# KiCad board X88C.kicad_pcb (continued)
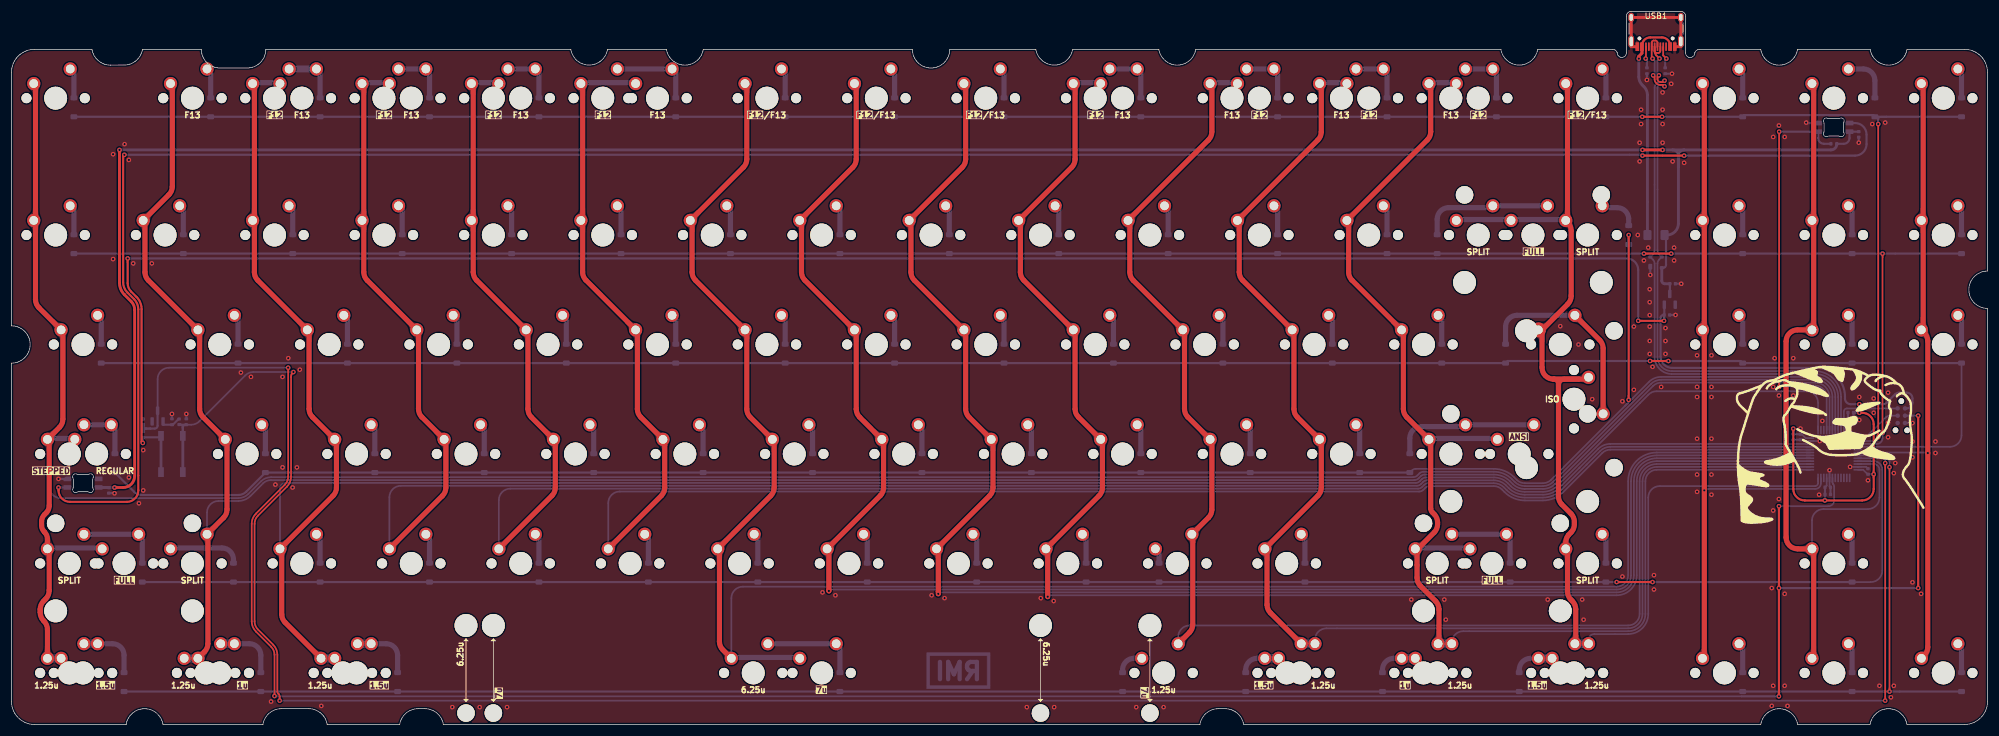
[diagram p0: board, top side]
## Nets
+3V3: C1.1 C2.1 C3.1 C5.2 C6.1 C7.1 C8.1 C9.1 J2.1 RR1.1 SWR1.1 U1.2 U2.9 U2.24 U2.36 U2.48
+5V: C4.1 C10.1 C11.1 D1.4 F1.1 R3.2 RGB1.1 RGB2.1 U1.3
GND: C1.2 C2.2 C3.2 C4.2 C5.1 C6.2 C7.2 C8.2 C9.2 C10.2 C11.2 CR2.2 D1.1 J2.5 QR1.2 R1.2 R2.2 RGB1.4 RGB2.4 RR2.1 RR3.2 U1.1 U2.8 U2.23 U2.35 U2.47 USB1.A1 USB1.A12 USB1.B1 USB1.B12 USB1.S1
VBUS: F1.2 USB1.A4 USB1.A9 USB1.B4 USB1.B9
/CC1: R2.1 USB1.A5
/CC2: R1.1 USB1.B5
/RGB: R3.1 RGB1.3 U2.28
BOOT0: CR1.2 RR2.2 SWR1.2 U2.44
D+: D1.3 U2.33 USB1.A6 USB1.B6
D-: D1.2 U2.32 USB1.A7 USB1.B7
NRST: CR2.1 J2.3 QR1.3 RR1.2 U2.7
PA1: MX15.1 MX44.1 MX62.1 MX106.1 U2.11
PA2: MX14.1 MX43.1 MX47.1 MX61.1 MX65.1 MX79.1 MX98.1 MX105.2 MX116.2 U2.12
PA3: MX13.1 MX28.1 MX42.1 MX60.1 MX78.1 MX81.1 MX93.1 MX97.1 MX104.2 MX115.2 U2.13
PA4: MX12.1 MX27.1 MX41.1 MX59.1 MX77.1 MX92.1 MX103.2 MX114.2 U2.14
PA5: MX11.1 MX26.1 MX40.1 MX58.1 MX76.1 MX91.2 MX113.2 U2.15
PA6: MX10.1 MX25.1 MX39.1 MX57.1 MX75.1 MX90.1 U2.16
PA7: MX9.1 MX38.1 MX56.1 MX74.1 MX89.1 U2.17
PA8: MX2.1 MX31.1 MX49.1 MX67.1 MX96.2 MX100.1 MX110.1 U2.29
PA9: MX1.1 MX30.1 MX48.1 MX66.1 MX80.1 MX82.1 MX95.1 MX99.1 MX109.1 U2.30
PA10: D53.1 D54.1 D55.1 D56.1 D57.1 D58.1 D59.1 D60.1 D61.1 D62.1 D63.1 D64.1 D65.1 D66.1 U2.31
PA15: D2.1 D3.1 D4.1 D5.1 D6.1 D7.1 D8.1 D9.1 D10.1 D11.1 D12.1 D13.1 D14.1 D15.1 D16.1 D17.1 D18.1 U2.38
PB0: MX8.1 MX37.1 MX55.1 MX73.1 MX88.1 U2.18
PB1: MX7.1 MX36.1 MX54.1 MX72.1 MX87.1 MX102.1 MX112.1 U2.19
PB2: MX6.1 MX21.1 MX35.1 MX53.1 MX71.1 MX86.1 U2.20
PB3: D19.1 D20.1 D21.1 D22.1 D23.1 D24.1 D25.1 D26.1 D27.1 D28.1 D29.1 D30.1 D31.1 D32.1 D33.1 D34.1 D35.1 U2.39
PB4: D36.1 D37.1 D38.1 D39.1 D40.1 D41.1 D42.1 D43.1 D44.1 D45.1 D46.1 D47.1 D48.1 D49.1 D50.1 D51.1 D52.1 U2.40
PB6: MX17.1 MX46.1 MX64.1 MX108.1 U2.42
PB7: D82.1 D83.1 D84.1 D85.1 D86.1 D87.1 D88.1 D89.1 D90.1 D91.1 D92.1 U2.43
PB8: D67.1 D68.1 D69.1 D70.1 D71.1 D72.1 D73.1 D74.1 D75.1 D76.1 D77.1 D78.1 D79.1 D80.1 D81.1 U2.45
PB9: MX16.1 MX45.1 MX63.1 MX94.1 MX107.1 U2.46
PB10: MX5.1 MX20.1 MX34.1 MX52.1 MX70.1 MX85.1 U2.21
PB11: MX4.1 MX19.1 MX33.1 MX51.1 MX69.1 MX84.1 U2.22
PB12: MX3.1 MX18.1 MX32.1 MX50.1 MX68.1 MX83.1 MX101.1 MX111.1 U2.25
SWCLK: J2.4 U2.37
SWDIO: J2.2 U2.34
Net-(D2-A): D2.2 MX1.2
Net-(D3-A): D3.2 MX2.2
Net-(D4-A): D4.2 MX3.2 MX18.2
Net-(D5-A): D5.2 MX4.2 MX19.2
Net-(D6-A): D6.2 MX5.2 MX20.2
Net-(D7-A): D7.2 MX6.2 MX21.2
Net-(D8-A): D8.2 MX7.2
Net-(D9-A): D9.2 MX8.2
Net-(D10-A): D10.2 MX9.2
Net-(D11-A): D11.2 MX10.2 MX25.2
Net-(D12-A): D12.2 MX11.2 MX26.2
Net-(D13-A): D13.2 MX12.2 MX27.2
Net-(D14-A): D14.2 MX13.2 MX28.2
Net-(D15-A): D15.2 MX14.2
Net-(D16-A): D16.2 MX15.2
Net-(D17-A): D17.2 MX16.2
Net-(D18-A): D18.2 MX17.2
Net-(D19-A): D19.2 MX30.2
Net-(D20-A): D20.2 MX31.2
Net-(D21-A): D21.2 MX32.2
Net-(D22-A): D22.2 MX33.2
Net-(D23-A): D23.2 MX34.2
Net-(D24-A): D24.2 MX35.2
Net-(D25-A): D25.2 MX36.2
Net-(D26-A): D26.2 MX37.2
Net-(D27-A): D27.2 MX38.2
Net-(D28-A): D28.2 MX39.2
Net-(D29-A): D29.2 MX40.2
Net-(D30-A): D30.2 MX41.2
Net-(D31-A): D31.2 MX42.2
Net-(D32-A): D32.2 MX43.2 MX47.2
Net-(D33-A): D33.2 MX44.2
Net-(D34-A): D34.2 MX45.2
Net-(D35-A): D35.2 MX46.2
Net-(D36-A): D36.2 MX48.2
Net-(D37-A): D37.2 MX49.2
Net-(D38-A): D38.2 MX50.2
Net-(D39-A): D39.2 MX51.2
Net-(D40-A): D40.2 MX52.2
Net-(D41-A): D41.2 MX53.2
Net-(D42-A): D42.2 MX54.2
Net-(D43-A): D43.2 MX55.2
Net-(D44-A): D44.2 MX56.2
Net-(D45-A): D45.2 MX57.2
Net-(D46-A): D46.2 MX58.2
Net-(D47-A): D47.2 MX59.2
Net-(D48-A): D48.2 MX60.2
Net-(D49-A): D49.2 MX61.2 MX65.2
Net-(D50-A): D50.2 MX62.2
Net-(D51-A): D51.2 MX63.2
Net-(D52-A): D52.2 MX64.2
Net-(D53-A): D53.2 MX66.2 MX80.2
Net-(D54-A): D54.2 MX67.2
Net-(D55-A): D55.2 MX68.2
Net-(D56-A): D56.2 MX69.2
Net-(D57-A): D57.2 MX70.2
Net-(D58-A): D58.2 MX71.2
Net-(D59-A): D59.2 MX72.2
Net-(D60-A): D60.2 MX73.2
Net-(D61-A): D61.2 MX74.2
Net-(D62-A): D62.2 MX75.2
Net-(D63-A): D63.2 MX76.2
Net-(D64-A): D64.2 MX77.2
Net-(D65-A): D65.2 MX78.2 MX81.2
Net-(D66-A): D66.2 MX79.2
Net-(D67-A): D67.2 MX82.2 MX95.2
Net-(D68-A): D68.2 MX96.1
Net-(D69-A): D69.2 MX83.2
Net-(D70-A): D70.2 MX84.2
Net-(D71-A): D71.2 MX85.2
Net-(D72-A): D72.2 MX86.2
Net-(D73-A): D73.2 MX87.2
Net-(D74-A): D74.2 MX88.2
Net-(D75-A): D75.2 MX89.2
Net-(D76-A): D76.2 MX90.2
Net-(D77-A): D77.2 MX91.1
Net-(D78-A): D78.2 MX92.2
Net-(D79-A): D79.2 MX93.2 MX97.2
Net-(D80-A): D80.2 MX98.2
Net-(D81-A): D81.2 MX94.2
Net-(D82-A): D82.2 MX99.2 MX109.2
Net-(D83-A): D83.2 MX100.2 MX110.2
Net-(D84-A): D84.2 MX101.2 MX111.2
Net-(D85-A): D85.2 MX102.2 MX112.2
Net-(D86-A): D86.2 MX113.1
Net-(D87-A): D87.2 MX103.1 MX114.1
Net-(D88-A): D88.2 MX104.1 MX115.1
Net-(D89-A): D89.2 MX105.1 MX116.1
Net-(D90-A): D90.2 MX106.2
Net-(D91-A): D91.2 MX107.2
Net-(D92-A): D92.2 MX108.2
Net-(QR1-G): CR1.1 QR1.1 RR3.1
Net-(RGB1-DOUT): RGB1.2 RGB2.3

Pads without a net: J2 6; RGB2 2; U2 1 2 3 4 5 6 10 26 27 41; USB1 A8 B8

## Via types
v1: diameter 0.8, hole 0.4, Top to Bottom, 204 vias

## Routing (per net, layer and track width the routed paths; a pad name or vN(x,y) marks a point on that pad's centre or on a via; arc(x,y) is an arc through that point)
+3V3: length 443.5
  Top w0.375: v1(321.69,55.74) v1(321.69,54.24) 322.19,54.24 arc(323.6,53.65) 324.19,52.24 v1(324.19,43.55) 324.19,40.99 arc(323.6,39.57) 322.19,38.99 v1(315.69,38.99) 312.19,38.99 arc(310.77,39.57) 310.19,40.99 v1(310.19,51.49) ; v1(20.22,81.1) 20.22,76.77 arc(20.38,76) 20.81,75.36 21.77,74.39 arc(22.42,73.42) 22.65,72.27 22.65,49.2 v1(22.86,48.99) ; v1(287.69,70.24) v1(283.19,70.24)
  Bottom w0.3: C7.1 316,41.57 U2.9 ; C3.1 323.12,43.55 322.35,44.33 U2.48 ; C1.1 311.66,50.51 312.35,49.83 U2.24 ; C9.1 320.67,52.97 320,52.3 U2.36
  Bottom w0.375: v1(315.69,38.99) 315.71,39.01 C6.1 C7.1 ; v1(20.22,81.1) 281.19,81.1 arc(282.6,80.52) 283.19,79.1 v1(283.19,70.24) ; C3.1 v1(324.19,43.55) ; 287.71,70.74 287.71,70.24 v1(287.69,70.24) ; 287.71,70.74 C5.2 287.58,71.26 arc(287.23,71.12) 287.08,70.76 287.08,64.05 arc(287.67,62.64) 289.08,62.05 314.19,62.05 arc(317.72,60.59) 319.19,57.05 319.19,56.74 arc(319.48,56.03) 320.19,55.74 v1(321.69,55.74) ; 287.71,70.74 287.71,70.49 287.69,70.49 ; v1(310.19,51.49) C2.1 C1.1 ; J2.1 329.94,55.01 arc(330.64,55.3) 330.94,56.01 330.94,56.74 arc(330.64,57.45) 329.94,57.74 328.6,57.74 arc(328.22,57.66) 327.89,57.45 326.48,56.03 arc(326.16,55.81) 325.77,55.74 v1(321.69,55.74) ; SWR1.1 26.03,49.97 RR1.1 22.86,49.89 v1(22.86,48.99) ; v1(321.69,55.74) arc(321.76,55.79) 321.85,55.81 ; U1.2 287.74,71.26 ; C9.1 C8.1 321.58,54.28 arc(321.64,54.27) v1(321.69,54.24)
  Bottom w0.5: SWR1.1 SWR1.1
+5V: length 402.9
  Top w0.5: v1(287.44,99.99) v1(283.94,99.99) ; v1(18.8,99.99) 18.8,76.89 arc(19.03,75.75) 19.68,74.77 20.85,73.6 arc(21.28,72.95) 21.44,72.19 21.44,43.24 arc(20.85,41.82) 19.44,41.24 v1(17.94,41.24)
  Bottom w0.375: C4.1 288.71,74.93 ; C10.1 RGB1.1 319.97,102.05 arc(319.68,101.34) 318.97,101.05 R3.2 ; D1.4 287.53,79.46 arc(287.88,79.61) 288.03,79.96 288.03,85.18 F1.1
  Bottom w0.5: R3.2 317.76,100.99 arc(317.47,100.28) 316.76,99.99 291.19,99.99 ; C4.1 287.79,76.69 arc(287.44,76.84) 287.29,77.19 D1.4 ; v1(283.94,99.99) v1(18.8,99.99) ; 289.19,99.99 291.19,99.99 ; 289.19,99.99 v1(287.44,99.99) ; 289.19,99.99 arc(289.89,99.7) 290.19,98.99 ; 291.19,99.99 arc(290.48,99.7) 290.19,98.99 ; F1.1 288.19,85.18 arc(289.6,85.76) 290.19,87.18 290.19,96.99 ; RGB2.1 16.91,41.25 C11.1 17.92,41.22 v1(17.94,41.24) ; 290.19,96.99 290.19,98.99 ; 290.19,96.99 290.19,98.99
GND: length 52.1
  Top w0.5: USB1.A1 290.61,117.94 USB1.S1 USB1.S1 USB1.S1 USB1.S1 281.97,117.94 USB1.A12
  Bottom w0.3: C9.2 319.5,52.82 U2.35 v1(319.5,49.9) ; v1(320.07,44.83) U2.47 322.87,44.83 C3.2 ; v1(314.79,49.33) U2.23 312.1,49.33 311.87,49.55 C1.2 ; C7.2 316.5,41.45 U2.8 v1(316.5,44.25)
  Bottom w0.375: v1(8.19,42.74) 8.19,42.75 RGB2.4 ; C7.2 C6.2 ; J2.5 330.94,52.47 v1(330.94,52.46) ; C8.2 C9.2 ; C2.2 C1.2 ; RR2.1 v1(30.44,54.04) ; D1.1 v1(285.29,78.24) ; C10.2 v1(321.58,101.24) ; v1(312.44,104.74) 312.44,104.66 RGB1.4 ; v1(17.94,40.24) 17.92,40.26 C11.2 ; C4.2 v1(290.69,76.69) ; RR3.2 v1(27.94,54.04) ; R2.2 v1(289.07,113.24) ; C5.1 v1(289.69,71.26) ; R1.2 v1(284.71,112.16)
  vias: v1(17.69,99.24) v1(17.69,80.99) v1(19.69,100.99) v1(20.44,98.24) v1(20.44,42.99) v1(21.19,80.24) v1(22.19,38.49) v1(22.94,47.74) v1(22.94,40.74) v1(24.44,80.24) v1(39.94,61.24) v1(41.69,60.49) v1(45.19,3.99) v1(45.94,41.74) v1(47.19,60.49) v1(47.19,44.74) v1(48.19,63.74) v1(48.94,41.24) v1(49.69,44.74) v1(50.19,61.74) v1(53.94,3.24) v1(76.74,3.02) v1(81.51,3.02) v1(86.27,3.02) v1(141.19,22.99) v1(143.44,22.49) v1(160.19,22.49) v1(162.44,21.99) v1(176.76,3.02) v1(179.19,21.99) v1(181.44,21.49) v1(181.52,3.02) v1(195.81,3.02) v1(200.57,3.02) v1(243.69,21.74) v1(249.44,21.74) v1(249.69,18.24) v1(267.44,21.74) v1(269.62,69.3) v1(272.8,66.13) v1(273.44,21.74) v1(273.69,18.24) v1(275.18,56.6) v1(280.44,56.24) v1(280.44,25.74) v1(282.44,69.24) v1(282.44,58.24) v1(283.12,85.18) v1(283.44,101.24) v1(283.44,97.99) v1(283.69,106.99) v1(283.69,104.49) v1(284.19,80.74) v1(284.94,82.99) v1(285.19,75.74) v1(285.19,73.49) v1(285.19,71.24) v1(285.19,69.24) v1(285.19,66.74) v1(285.19,64.49) v1(285.69,62.24) v1(285.94,25.99) v1(285.94,23.49) v1(287.19,58.74) v1(287.44,109.99) v1(287.44,106.99) v1(287.44,104.49) v1(287.44,101.24) v1(287.94,68.99) v1(287.94,66.74) v1(287.94,64.49) v1(288.94,111.49) v1(289.19,97.99) v1(289.44,82.99) v1(289.44,80.74) v1(291.19,97.74) v1(293.44,64.24) v1(293.44,58.74) v1(293.44,56.99) v1(293.44,49.74) v1(293.44,43.49) v1(293.44,40.49) v1(295.94,64.24) v1(295.94,58.74) v1(295.94,56.99) v1(295.94,49.74) v1(295.94,43.49) v1(295.94,39.99) v1(306.44,23.74) v1(306.44,3.24) v1(306.69,102.24) v1(306.69,58.74) v1(306.69,37.24) v1(306.69,6.74) v1(306.94,63.74) v1(307.69,104.24) v1(307.69,57.24) v1(307.69,39.24) v1(308.69,102.24) v1(308.69,22.74) v1(308.69,6.74) v1(309.19,3.24) v1(310.19,63.74) v1(310.19,57.24) v1(311.44,51.49) v1(314.69,39.99) v1(315.25,52.83) v1(321.69,56.99) v1(321.69,52.99) v1(323.19,42.49) v1(323.94,104.49) v1(324.19,56.74) v1(324.19,54.24) v1(325.19,6.74) v1(326.19,104.74) v1(326.69,57.74) v1(326.69,52.49) v1(326.69,49.99) v1(327.19,4.74) v1(327.69,43.74) v1(327.69,6.74) v1(327.94,45.49) v1(330.94,49.24) v1(330.94,46.49) v1(330.94,24.74) v1(332.44,22.74) v1(334.94,49.24) v1(334.94,47.24)
VBUS: length 40.3
  Top w0.375: USB1.A4 288.74,118.11 arc(288.32,119.13) 287.29,119.56 285.29,119.56 arc(284.27,119.13) 283.84,118.11 USB1.A9
  Top w0.5: v1(283.29,115.88) 283.29,116.27 283.84,116.82 USB1.A9
  Bottom w0.5: F1.2 284.79,85.19 284.79,109.55 arc(284.64,110.32) 284.21,110.97 283.88,111.3 arc(283.45,111.95) 283.29,112.71 v1(283.29,115.88)
/CC1: length 4
  Top w0.3: v1(288.09,115.88) 287.54,116.43 USB1.A5
  Bottom w0.375: R2.1 287.88,115.66 v1(288.09,115.88)
/CC2: length 3.8
  Top w0.3: v1(284.49,115.88) 284.54,115.93 USB1.B5
  Bottom w0.375: v1(284.49,115.88) 284.71,115.66 R1.1
/RGB: length 70.5
  Top w0.3: v1(307.72,58.74) v1(307.72,103.16)
  Bottom w0.3: U2.28 316,56.99 arc(315.41,58.4) 314,58.99 307.72,58.99 v1(307.72,58.74)
  Bottom w0.375: R3.1 315.52,101.05 arc(314.82,101.34) 314.52,102.05 RGB1.3 v1(307.72,103.16)
BOOT0: length 422.1
  Top w0.3: v1(49.08,61.34) 48.96,61.22 arc(48.74,60.89) 48.67,60.51 48.67,43.14 arc(48.48,42.19) 47.94,41.37 42.9,36.34 arc(42.47,35.69) 42.32,34.93 42.32,17.95 arc(42.47,17.18) 42.9,16.54 45.55,13.88 arc(46.1,13.07) 46.29,12.12 46.29,5.72 arc(46.32,5.53) 46.43,5.37 46.54,5.26 arc(46.65,5.1) 46.69,4.9 v1(46.69,4.15) ; v1(326.19,4.15) v1(326.19,45.48)
  Bottom w0.3: v1(49.08,61.34) 42.12,61.34 arc(41.35,61.19) 40.7,60.75 32.7,52.75 arc(32.05,52.32) 31.29,52.17 RR2.2 ; U2.44 325.69,46.33 arc(326.04,46.18) 326.19,45.83 v1(326.19,45.48) ; v1(326.19,4.15) v1(46.69,4.15)
  Bottom w0.375: 29.19,52.17 CR1.2 29.33,52.2 arc(29.68,52.05) 29.83,51.7 SWR1.2 29.83,51.67 arc(29.97,52.02) 30.33,52.17 RR2.2 29.19,52.17
  Bottom w0.5: SWR1.2 SWR1.2
D+: length 102
  Top w0.3: USB1.A6 286.54,118.67 arc(286.44,118.92) 286.19,119.02 285.89,119.02 arc(285.65,118.92) 285.54,118.67 USB1.B6 285.54,116.03 v1(285.69,115.88) ; v1(287.78,111.04) 287.53,111.29 287.04,111.29 arc(286.34,111.58) 286.04,112.29 286.04,112.71 v1(285.79,112.96)
  Bottom w0.3: v1(285.69,115.88) 286.04,115.53 286.04,113.21 v1(285.79,112.96) ; v1(287.78,111.04) 287.53,111.29 287.04,111.29 arc(286.69,111.14) 286.54,110.79 286.54,82.53 arc(286.62,82.15) 286.84,81.82 D1.3 286.84,80.91 arc(286.62,80.58) 286.54,80.2 286.54,63.99 arc(287.28,62.22) 289.04,61.49 314,61.49 arc(317.18,60.17) 318.5,56.99 U2.33
D-: length 102.2
  Top w0.3: USB1.B7 287.04,117.22 arc(286.94,116.97) 286.69,116.87 286.39,116.87 arc(286.15,116.97) 286.04,117.22 USB1.A7 286.04,117.14 arc(286.12,116.76) 286.34,116.43 v1(286.89,115.88) 286.89,115.88 ; v1(287.78,112.04) 287.53,111.79 287.04,111.79 arc(286.69,111.94) 286.54,112.29 286.54,112.71 v1(286.79,112.96)
  Bottom w0.3: v1(286.79,112.96) 286.54,113.21 286.54,115.53 286.89,115.88 v1(286.89,115.88) ; U2.32 318,56.99 arc(316.83,59.82) 314,60.99 289.04,60.99 arc(286.92,61.87) 286.04,63.99 286.04,80.2 arc(285.97,80.58) 285.75,80.91 D1.2 285.75,81.82 arc(285.97,82.15) 286.04,82.53 286.04,110.79 arc(286.34,111.5) 287.04,111.79 287.53,111.79 v1(287.78,112.04)
NRST: length 464.8
  Top w0.3: v1(48.17,62.09) 48.17,43.14 arc(48.02,42.38) 47.58,41.73 42.55,36.7 arc(42.01,35.88) 41.82,34.93 41.82,17.95 arc(42.01,16.99) 42.55,16.18 45.2,13.53 arc(45.63,12.88) 45.79,12.12 v1(45.79,4.95)
  Top w0.375: v1(307.69,4.9) v1(307.69,23.74) v1(307.69,37.99) ; v1(331.94,53.74) v1(331.94,23.74)
  Bottom w0.3: v1(48.17,62.09) 27.44,62.09 arc(26.02,61.5) 25.44,60.09 QR1.3 ; v1(307.69,37.99) 316.3,37.99 arc(317,38.28) 317.3,38.99 317.3,41.45 arc(317.26,41.64) 317.15,41.81 317.15,41.81 arc(317.04,41.97) 317,42.16 U2.7 ; v1(45.79,4.95) 45.79,4.9 301.19,4.9
  Bottom w0.375: 301.19,4.9 v1(307.69,4.9) ; 24.19,51.49 24.94,51.49 arc(25.29,51.64) 25.44,51.99 QR1.3 ; 24.19,51.49 23.44,51.49 ; 24.19,51.49 23.44,51.49 ; 23.44,51.49 arc(23.08,51.34) RR1.2 CR2.1 22.94,51.99 arc(23.08,51.64) 23.44,51.49 ; v1(331.94,23.74) v1(307.69,23.74) ; J2.3 v1(331.94,53.74)
PA1: length 122.8
  Top w0.9: MX106.1 294.69,11.82 294.69,68.36 MX62.1 294.69,68.97 294.69,87.41 MX44.1 294.69,88.02 294.69,111.22 MX15.1
  Bottom w0.3: U2.11 315,41.99 arc(314.71,41.28) 314,40.99 294.69,40.99 v1(294.69,40.74)
PA2: length 203.3
  Top w0.9: 268.44,60.11 268.51,60.11 arc(269.08,59.87) 269.31,59.31 269.31,57.39 ; 268.44,60.11 272.8,60.11 ; 268.44,60.11 arc(267.03,60.69) 266.44,62.11 266.44,68.67 270.93,73.15 arc(271.36,73.8) 271.52,74.57 271.52,85.95 arc(271.36,86.71) 270.93,87.36 MX79.1 270.88,88.02 270.88,111.22 MX14.1 ; 269.31,57.39 269.31,39.69 arc(269.46,38.93) 269.9,38.28 271.49,36.69 arc(271.92,36.04) 272.07,35.27 272.07,34.83 arc(271.92,34.06) 271.49,33.41 271.07,33 arc(270.7,32.38) 270.58,31.68 MX98.1 ; 269.31,57.39 269.31,59.11 arc(269.6,59.81) 270.31,60.11 272.8,60.11 ; 272.8,60.11 274.24,60.11 MX65.1 ; MX105.2 272.32,14.21 272.32,20.06 arc(272.17,20.82) 271.73,21.47 271.47,21.74 arc(271.03,22.39) 270.88,23.15 270.88,30.26 MX98.1 ; MX98.1 270.55,30.6
  Bottom w0.3: U2.12 314.5,41.99 arc(314.35,41.64) 314,41.49 286.94,41.49 arc(285.52,40.9) 284.94,39.49 284.94,19.24 arc(283.91,16.76) 281.44,15.74 275.55,15.74 arc(274.84,15.45) 274.55,14.74 MX116.2
  Bottom w0.9: MX79.1 270.42,87.87 261.21,87.87 MX43.1 260.9,87.87 251.68,87.87 MX47.1
  Bottom w1.524: MX105.2 MX116.2
PA3: length 231.7
  Top w0.9: MX13.1 247.07,111.22 247.07,103.14 arc(246.92,102.37) 246.48,101.72 MX42.1 232.78,87.41 232.78,78.71 arc(232.93,77.95) 233.37,77.3 MX60.1 242.31,68.36 242.31,54.9 arc(242.46,54.14) 242.89,53.49 MX81.1 247.07,49.31 247.07,37.63 arc(247.15,37.24) 247.36,36.92 247.68,36.6 arc(248.11,35.96) 248.26,35.19 248.26,34.83 arc(248.11,34.07) 247.68,33.42 244.82,30.57 MX97.1 244.69,30.26 244.69,25.53 arc(244.84,24.77) 245.27,24.12 247.92,21.47 arc(248.35,20.82) 248.51,20.06 248.51,14.21 MX104.2
  Bottom w0.3: U2.13 286.44,44.33 arc(285.02,43.74) 284.44,42.33 284.44,19.24 arc(283.56,17.12) 281.44,16.24 252.73,16.24 arc(251.32,15.65) 250.73,14.24 MX115.2
  Bottom w0.9: MX13.1 246.92,111.68 251.53,111.68 ; MX93.1 253.75,30.72 244.54,30.72 MX97.1 ; MX81.1 246.92,49.77 258.52,49.77 MX78.1
  Bottom w1.524: MX104.2 MX115.2
PA4: length 237.1
  Top w0.9: MX12.1 228.02,111.22 228.02,103.14 arc(227.87,102.37) 227.43,101.72 MX41.1 213.73,87.41 213.73,78.71 arc(213.88,77.95) 214.32,77.3 MX59.1 223.26,68.36 223.26,54.9 arc(223.41,54.14) 223.84,53.49 MX77.1 228.02,49.31 228.02,41.22 arc(227.87,40.46) 227.43,39.81 MX92.1 218.57,30.18 218.57,20.85 arc(218.72,20.09) 219.16,19.44 MX103.2
  Bottom w0.3: MX114.2 226.92,14.74 arc(227.51,16.15) 228.92,16.74 281.44,16.74 arc(283.2,17.47) 283.94,19.24 283.94,42.33 arc(284.67,44.09) 286.44,44.83 U2.14
  Bottom w0.9: 232.48,111.68 227.87,111.68 MX12.1
  Bottom w1.524: MX103.2 MX114.2
PA5: length 254.9
  Top w0.9: MX113.2 205.06,16.01 arc(205.49,16.65) 205.64,17.42 205.64,32.79 205.49,32.95 MX91.2 208.38,36 arc(208.82,36.65) 208.97,37.41 208.97,49.31 MX76.1 204.79,53.49 arc(204.36,54.14) 204.21,54.9 204.21,68.36 MX58.1 195.27,77.3 arc(194.83,77.95) 194.68,78.71 194.68,87.41 MX40.1 208.38,101.72 arc(208.82,102.37) 208.97,103.14 208.97,111.22 MX11.1
  Bottom w0.3: MX113.2 203.11,15.24 arc(203.69,16.65) 205.11,17.24 281.44,17.24 arc(282.85,17.82) 283.44,19.24 283.44,42.33 arc(284.32,44.45) 286.44,45.33 U2.15
  Bottom w0.9: 213.43,111.68 208.82,111.68 MX11.1
PA6: length 261.5
  Top w0.9: v1(180.39,22.24) 180.39,30.26 MX90.1 189.33,39.81 arc(189.77,40.46) 189.92,41.22 189.92,49.31 MX75.1 185.74,53.49 arc(185.31,54.14) 185.16,54.9 185.16,68.36 MX57.1 176.22,77.3 arc(175.78,77.95) 175.63,78.71 175.63,87.41 MX39.1 184.57,96.96 arc(185,97.61) 185.16,98.37 185.16,111.22 MX25.1
  Bottom w0.3: v1(180.39,22.24) 180.39,22.49 279.44,22.49 arc(281.91,23.51) 282.94,25.99 282.94,42.33 arc(283.96,44.8) 286.44,45.83 U2.16
  Bottom w0.9: 189.61,111.68 185.01,111.68 MX25.1
PA7: length 275.2
  Top w0.9: MX9.1 166.11,111.22 166.11,98.37 arc(165.95,97.61) 165.52,96.96 MX38.1 156.58,87.41 156.58,78.71 arc(156.73,77.95) 157.17,77.3 MX56.1 166.11,68.36 166.11,54.9 arc(166.26,54.14) 166.69,53.49 MX74.1 170.87,49.31 170.87,41.22 arc(170.72,40.46) 170.28,39.81 MX89.1 161.34,30.26 v1(161.34,22.74)
  Bottom w0.3: U2.17 286.44,46.33 arc(283.61,45.15) 282.44,42.33 282.44,25.99 arc(281.56,23.87) 279.44,22.99 161.34,22.99 v1(161.34,22.74)
PA8: length 416.7
  Top w0.9: MX100.1 33.61,12.67 arc(34.04,13.32) 34.19,14.09 34.19,32.95 MX96.2 36.93,36 arc(37.37,36.65) 37.52,37.41 37.52,49.31 MX67.1 33.34,53.49 arc(32.91,54.14) 32.76,54.9 32.76,68.36 MX49.1 23.82,77.3 arc(23.38,77.95) 23.23,78.71 23.23,87.41 MX31.1 27.41,92.2 arc(27.84,92.85) 27.99,93.61 27.99,111.22 MX2.1
  Bottom w0.3: MX96.2 34.04,36.89 arc(34.63,38.31) 36.04,38.89 39.48,38.89 arc(40.63,39.12) 41.6,39.77 43.78,41.95 arc(44.43,42.39) 45.19,42.54 244.24,42.54 arc(244.63,42.61) 244.95,42.83 245.32,43.2 arc(245.64,43.41) 246.02,43.49 258.05,43.49 arc(259.58,43.18) 260.88,42.32 261.33,41.87 arc(262.31,41.22) 263.45,40.99 266.61,40.99 arc(267.76,41.22) 268.73,41.87 285.77,58.9 arc(286.41,59.34) 287.18,59.49 314,59.49 arc(315.77,58.76) 316.5,56.99 U2.29
  Bottom w1.524: MX110.1 32.17,11.52 32.31,11.66
PA9: length 459.2
  Top w0.9: MX1.1 4.18,111.22 4.18,88.02 MX30.1 4.18,87.41 4.18,73.95 arc(4.33,73.19) 4.77,72.54 MX48.1 8.94,68.36 8.94,53.13 arc(8.79,52.37) 8.36,51.72 MX66.1 6.56,49.31 6.56,38.06 arc(6.43,37.41) 6.07,36.85 5.73,36.52 arc(5.37,35.97) 5.24,35.32 5.24,34.7 arc(5.37,34.05) 5.73,33.5 5.76,33.47 arc(6.13,32.92) 6.26,32.27 MX95.1 6.56,30.26 6.56,23.33 arc(6.4,22.52) 5.95,21.84 5.61,21.5 arc(5.15,20.82) 4.99,20.02 4.99,19.53 arc(5.15,18.72) 5.61,18.04 5.64,18.01 arc(6.1,17.32) 6.26,16.52 MX109.1
  Bottom w0.3: 6.26,49.62 MX66.1 6.56,49.62 6.56,41.39 arc(7.15,39.98) 8.56,39.39 39.48,39.39 arc(40.44,39.59) 41.25,40.13 43.43,42.31 arc(44.24,42.85) 45.19,43.04 244.04,43.04 arc(244.42,43.11) 244.74,43.33 245.11,43.7 arc(245.43,43.91) 245.82,43.99 258.05,43.99 arc(259.78,43.65) 261.24,42.67 261.69,42.22 arc(262.5,41.68) 263.45,41.49 266.61,41.49 arc(267.57,41.68) 268.38,42.22 285.41,59.26 arc(286.22,59.8) 287.18,59.99 314,59.99 arc(316.12,59.11) 317,56.99 U2.30
  Bottom w0.9: 11.02,49.77 6.41,49.77 MX66.1 ; MX82.1 15.63,30.72 6.41,30.72 MX95.1
  Bottom w1.524: MX109.1 8.36,11.52 8.5,11.66
PA10: length 351.1
  Top w0.375: v1(281.53,85.18) v1(281.53,56.49)
  Bottom w0.3: 280.94,55.49 281.53,56.08 v1(281.53,56.49) 281.94,56.49 282.19,56.74 ; 280.94,55.49 268.02,42.57 arc(267.37,42.14) 266.61,41.99 263.45,41.99 arc(262.69,42.14) 262.04,42.57 261.59,43.02 arc(259.97,44.11) 258.05,44.49 244.49,44.49 arc(244.11,44.41) 243.79,44.2 D65.1 ; 280.94,55.49 282.19,56.74 ; 282.19,56.74 285.06,59.61 arc(286.03,60.26) 287.18,60.49 314,60.49 arc(316.47,59.46) 317.5,56.99 U2.31
  Bottom w0.375: v1(281.53,85.18) D66.1 ; D53.1 21.33,40.52 arc(21.97,40.08) 22.74,39.93 39.46,39.93 arc(40.23,40.08) 40.88,40.52 D54.1 D55.1 D56.1 D57.1 D58.1 D59.1 D60.1 D61.1 D62.1 D63.1 D64.1 D65.1
PA15: length 391.5
  Top w0.3: v1(324.97,49.99) v1(324.97,104.49)
  Top w0.375: v1(283.89,105.75) v1(287.34,105.75)
  Bottom w0.3: U2.38 324.47,49.33 arc(324.83,49.47) 324.97,49.83 v1(324.97,49.99) ; 324.97,105.25 v1(324.97,104.49) 324.97,105.25 ; 324.97,105.25 arc(325.12,105.6) 325.47,105.75 326.44,105.75 ; 324.97,105.25 arc(324.83,105.6) 324.47,105.75 D17.1
  Bottom w0.375: D2.1 D3.1 D4.1 D5.1 D6.1 D7.1 D8.1 D9.1 D10.1 D11.1 D12.1 D13.1 D14.1 D15.1 v1(283.89,105.75) ; D18.1 D17.1 324.1,106.04 301.66,106.04 D16.1 v1(287.34,105.75)
PB0: length 293.8
  Top w0.9: v1(142.29,23.24) 142.29,30.26 MX88.1 151.23,39.81 arc(151.67,40.46) 151.82,41.22 151.82,49.31 MX73.1 147.64,53.49 arc(147.21,54.14) 147.06,54.9 147.06,68.36 MX55.1 138.12,77.3 arc(137.68,77.95) 137.53,78.71 137.53,87.41 MX37.1 146.47,96.96 arc(146.9,97.61) 147.06,98.37 147.06,111.22 MX8.1
  Bottom w0.3: U2.18 286.44,46.83 arc(283.25,45.51) 281.94,42.33 281.94,25.99 arc(281.2,24.22) 279.44,23.49 142.29,23.49 v1(142.29,23.24)
PB1: length 346.6
  Top w0.9: MX112.1 123.83,13.01 arc(123.4,13.66) 123.24,14.42 123.24,30.26 MX87.1 132.18,39.81 arc(132.62,40.46) 132.77,41.22 132.77,49.31 MX72.1 128.59,53.49 arc(128.16,54.14) 128.01,54.9 128.01,68.36 MX54.1 119.07,77.3 arc(118.63,77.95) 118.48,78.71 118.48,87.41 MX36.1 127.42,96.96 arc(127.85,97.61) 128.01,98.37 128.01,111.22 MX7.1
  Bottom w0.3: MX112.1 125.32,21.99 arc(125.91,23.4) 127.32,23.99 279.44,23.99 arc(280.85,24.57) 281.44,25.99 281.44,42.33 arc(282.9,45.86) 286.44,47.33 U2.19
  Bottom w0.9: MX102.1 137.07,11.67 125.47,11.67 MX112.1
PB2: length 323.4
  Top w0.9: MX21.1 99.43,111.22 99.43,88.02 MX35.1 99.43,87.41 99.43,78.71 arc(99.58,77.95) 100.02,77.3 MX53.1 108.96,68.36 108.96,54.9 arc(109.11,54.14) 109.54,53.49 MX71.1 113.72,49.31 113.72,41.22 arc(113.57,40.46) 113.13,39.81 MX86.1
  Bottom w0.3: MX86.1 103.89,38.54 arc(104.48,39.95) 105.89,40.54 245.07,40.54 arc(245.46,40.61) 245.78,40.83 246.14,41.2 arc(246.47,41.41) 246.85,41.49 258.05,41.49 arc(258.82,41.34) 259.47,40.9 259.92,40.45 arc(261.54,39.37) 263.45,38.99 266.61,38.99 arc(268.52,39.37) 270.14,40.45 276.93,47.24 arc(277.58,47.67) 278.35,47.83 U2.20
  Bottom w0.9: MX21.1 99.28,111.68 108.5,111.68 MX6.1
PB3: length 365.6
  Top w0.3: v1(325.72,50.74) v1(325.72,81.94)
  Top w0.375: v1(284.19,81.94) v1(288.94,81.94)
  Bottom w0.3: U2.39 324.72,48.83 arc(325.43,49.12) 325.72,49.83 v1(325.72,50.74)
  Bottom w0.375: v1(284.19,81.94) D32.1 D31.1 D30.1 D29.1 D28.1 D27.1 D26.1 D25.1 D24.1 D23.1 D22.1 D21.1 D20.1 D19.1 ; D35.1 D34.1 D33.1 v1(288.94,81.94)
PB4: length 356.6
  Top w0.375: v1(285.24,63.26) 288.45,63.26 v1(288.45,63.25)
  Bottom w0.3: U2.40 337.47,48.33 arc(338.89,48.91) 339.47,50.33 D52.1
  Bottom w0.375: D50.1 D51.1 D52.1 ; D50.1 301.12,63.14 ; D50.1 301.02,63.25 v1(288.45,63.25) ; D49.1 260.35,63.14 ; D49.1 260.47,63.26 v1(285.24,63.26) ; D49.1 D48.1 D47.1 D46.1 D45.1 D44.1 D43.1 D42.1 D41.1 D40.1 D39.1 D38.1 D37.1 D36.1
PB6: length 113.6
  Top w0.9: MX17.1 332.79,111.22 332.79,88.02 MX46.1 332.79,87.41 332.79,68.97 MX64.1 333.02,68.14 arc(333.45,67.49) 333.61,66.72 v1(333.61,47.24) 333.61,13.46 arc(333.45,12.7) 333.02,12.05 MX108.1
  Bottom w0.3: U2.42 333.61,47.33 v1(333.61,47.24)
PB7: length 366.1
  Top w0.3: v1(326.94,44.78) v1(326.94,5.74)
  Bottom w0.3: U2.43 325.94,46.83 arc(326.64,46.53) 326.94,45.83 v1(326.94,44.78)
  Bottom w0.375: D92.1 D91.1 D90.1 D89.1 D88.1 D87.1 D86.1 D85.1 D84.1 D83.1 D82.1
PB8: length 326.7
  Top w0.375: v1(279.44,24.79) v1(285.69,24.79)
  Bottom w0.3: U2.45 324.19,45.83 arc(325.25,45.39) 325.69,44.33 325.69,26.79 arc(325.1,25.37) 323.69,24.79 D81.1
  Bottom w0.375: D67.1 D68.1 D69.1 D70.1 D71.1 D72.1 D73.1 D74.1 D75.1 D76.1 D77.1 D78.1 D79.1 D80.1 v1(279.44,24.79) ; D81.1 285.74,24.79
PB9: length 136.2
  Top w0.9: MX107.1 313.74,11.82 313.74,30.26 MX94.1 310.94,30.57 arc(309.52,31.15) 308.94,32.57 308.94,66.67 arc(309.52,68.08) 310.94,68.67 MX63.1 313.74,68.97 313.74,87.41 MX45.1 313.74,88.02 313.74,111.22 MX16.1
  Bottom w0.3: U2.46 324.19,45.33 arc(324.89,45.03) 325.19,44.33 325.19,39.49 arc(324.6,38.07) 323.19,37.49 315.44,37.49 arc(314.03,36.9) 313.44,35.49 MX94.1
PB10: length 338.2
  Top w0.9: MX85.1 94.08,39.81 arc(94.52,40.46) 94.67,41.22 94.67,49.31 MX70.1 90.49,53.49 arc(90.06,54.14) 89.91,54.9 89.91,68.36 80.97,77.3 arc(80.53,77.95) 80.38,78.71 80.38,87.41 MX34.1 80.38,88.02 80.38,111.22 MX20.1
  Bottom w0.3: MX85.1 84.84,39.04 arc(85.43,40.45) 86.84,41.04 244.87,41.04 arc(245.25,41.11) 245.57,41.33 245.94,41.7 arc(246.26,41.91) 246.64,41.99 258.05,41.99 arc(259.01,41.8) 259.82,41.26 260.27,40.81 arc(261.73,39.83) 263.45,39.49 266.61,39.49 arc(268.33,39.83) 269.79,40.81 276.58,47.59 arc(277.39,48.14) 278.35,48.33 U2.21
  Bottom w0.9: 84.84,111.68 80.23,111.68 MX20.1
PB11: length 357.7
  Top w0.9: MX84.1 75.03,39.81 arc(75.47,40.46) 75.62,41.22 75.62,49.31 MX69.1 71.44,53.49 arc(71.01,54.14) 70.86,54.9 70.86,68.36 MX51.1 61.92,77.3 arc(61.48,77.95) 61.33,78.71 61.33,87.41 MX33.1 61.33,88.02 61.33,111.22 MX19.1
  Bottom w0.3: U2.22 278.35,48.83 arc(277.2,48.6) 276.22,47.95 269.44,41.16 arc(268.14,40.29) 266.61,39.99 263.45,39.99 arc(261.92,40.29) 260.63,41.16 260.18,41.61 arc(259.2,42.26) 258.05,42.49 246.44,42.49 arc(246.05,42.41) 245.73,42.2 245.37,41.83 arc(245.04,41.61) 244.66,41.54 67.79,41.54 arc(66.38,40.95) 65.79,39.54 MX84.1
  Bottom w0.9: MX19.1 61.18,111.68 65.79,111.68
PB12: length 412.9
  Top w0.9: MX18.1 42.28,111.22 42.28,88.02 MX32.1 42.28,87.41 42.28,78.71 arc(42.43,77.95) 42.87,77.3 MX50.1 51.81,68.36 51.81,54.9 arc(51.96,54.14) 52.39,53.49 MX68.1 56.57,49.31 56.57,41.22 arc(56.42,40.46) 55.98,39.81 MX83.1 47.04,30.26 47.04,19.18 arc(47.2,18.42) 47.63,17.77 MX111.1
  Bottom w0.3: MX83.1 46.74,41.04 arc(47.03,41.75) 47.74,42.04 244.45,42.04 arc(244.83,42.11) 245.16,42.33 245.52,42.7 arc(245.85,42.91) 246.23,42.99 258.05,42.99 arc(259.39,42.72) 260.53,41.96 260.98,41.51 arc(262.11,40.76) 263.45,40.49 266.61,40.49 arc(267.95,40.76) 269.08,41.51 284.97,57.4 arc(285.62,57.84) 286.39,57.99 312.5,57.99 arc(313.91,57.4) 314.5,55.99 U2.25
  Bottom w0.9: MX18.1 42.13,111.68 46.74,111.68
  Bottom w1.524: 56.12,11.66 55.98,11.52 MX111.1
SWCLK: length 8.5
  Bottom w0.3: J2.4 327.01,53.74 arc(326.63,53.66) 326.31,53.45 322.98,50.12 arc(322.66,49.9) 322.27,49.83 U2.37
SWDIO: length 12.9
  Bottom w0.3: J2.2 328.34,54.99 319.5,54.99 arc(319.15,54.84) 319,54.49 U2.34
Net-(D2-A): length 5.3
  Bottom w0.9: MX1.2 10.86,113.43 D2.2
Net-(D3-A): length 5.3
  Bottom w0.9: D3.2 34.67,113.43 MX2.2
Net-(D4-A): length 10
  Bottom w0.9: MX3.2 53.72,113.43 D4.2
  Bottom w1.2: MX18.2 MX3.2
Net-(D5-A): length 10
  Bottom w0.9: D5.2 72.77,113.43 MX4.2 MX19.2
Net-(D6-A): length 10
  Bottom w0.9: MX20.2 MX5.2 91.82,113.43 D6.2
Net-(D7-A): length 14.8
  Bottom w0.9: MX21.2 MX6.2 115.64,113.43 D7.2
Net-(D8-A): length 5.3
  Bottom w0.9: D8.2 134.69,113.43 134.05,114.07
Net-(D9-A): length 5.3
  Bottom w0.9: MX8.2 153.74,113.43 D9.2
Net-(D10-A): length 5.3
  Bottom w0.9: D10.2 172.79,113.43 MX9.2
Net-(D11-A): length 10
  Bottom w0.9: D11.2 196.6,113.43 MX10.2 MX25.2
Net-(D12-A): length 10
  Bottom w0.9: MX11.2 MX26.2 220.41,113.43 D12.2
Net-(D13-A): length 10
  Bottom w0.9: MX12.2 MX27.2 239.46,113.43 D13.2
Net-(D14-A): length 10
  Bottom w0.9: D14.2 258.51,113.43 MX28.2 MX13.2
Net-(D15-A): length 5.3
  Bottom w0.9: MX14.2 277.56,113.43 D15.2
Net-(D16-A): length 5.3
  Bottom w0.9: MX15.2 301.37,113.43 D16.2
Net-(D17-A): length 8.8
  Bottom w0.9: D17.2 324.39,112.07 arc(323.81,113.48) 322.39,114.07 MX16.2
Net-(D18-A): length 5.3
  Bottom w0.9: D18.2 339.47,113.43 MX17.2
Net-(D19-A): length 5.3
  Bottom w0.9: MX30.2 10.86,89.62 D19.2
Net-(D20-A): length 5.3
  Bottom w0.9: D20.2 29.91,89.62 MX31.2
Net-(D21-A): length 5.3
  Bottom w0.9: D21.2 48.96,89.62 MX32.2
Net-(D22-A): length 5.3
  Bottom w0.9: MX33.2 68.01,89.62 D22.2
Net-(D23-A): length 5.3
  Bottom w0.9: MX34.2 87.06,89.62 D23.2
Net-(D24-A): length 5.3
  Bottom w0.9: MX35.2 106.11,89.62 D24.2
Net-(D25-A): length 5.3
  Bottom w0.9: MX36.2 125.16,89.62 D25.2
Net-(D26-A): length 5.3
  Bottom w0.9: D26.2 144.21,89.62 MX37.2
Net-(D27-A): length 5.3
  Bottom w0.9: D27.2 163.26,89.62 MX38.2
Net-(D28-A): length 5.3
  Bottom w0.9: MX39.2 182.31,89.62 D28.2
Net-(D29-A): length 5.3
  Bottom w0.9: D29.2 201.36,89.62 MX40.2
Net-(D30-A): length 5.3
  Bottom w0.9: MX41.2 220.41,89.62 D30.2
Net-(D31-A): length 5.3
  Bottom w0.9: MX42.2 239.46,89.62 D31.2
Net-(D32-A): length 23.2
  Bottom w0.9: 267.4,90.26 MX47.2 257.56,89.94 250.19,89.94 arc(248.78,89.35) 248.19,87.94 D32.2
Net-(D33-A): length 5.3
  Bottom w0.9: D33.2 301.37,89.62 MX44.2
Net-(D34-A): length 5.3
  Bottom w0.9: D34.2 320.42,89.62 MX45.2
Net-(D35-A): length 5.3
  Bottom w0.9: D35.2 339.47,89.62 MX46.2
Net-(D36-A): length 5.3
  Bottom w0.9: MX48.2 15.62,70.57 D36.2
Net-(D37-A): length 5.3
  Bottom w0.9: D37.2 39.44,70.57 MX49.2
Net-(D38-A): length 5.3
  Bottom w0.9: D38.2 58.49,70.57 MX50.2
Net-(D39-A): length 5.3
  Bottom w0.9: D39.2 77.54,70.57 MX51.2
Net-(D40-A): length 5.3
  Bottom w0.9: MX52.2 96.59,70.57 D40.2
Net-(D41-A): length 5.3
  Bottom w0.9: MX53.2 115.64,70.57 D41.2
